# Altium PCB PATHOS_ControllerBoardExp.PcbDoc (part 2 of 4)
Units mm, origin at the board's own origin, x right, y up, seen from the top; angles counter-clockwise.
Board outline 165 x 96 mm, 4 copper layers (Top Layer, Mid-Layer 1, Mid-Layer 2, Bottom Layer), stack 1.642 mm thick; 300 components, 336 nets, 1573 pads, 768 vias.
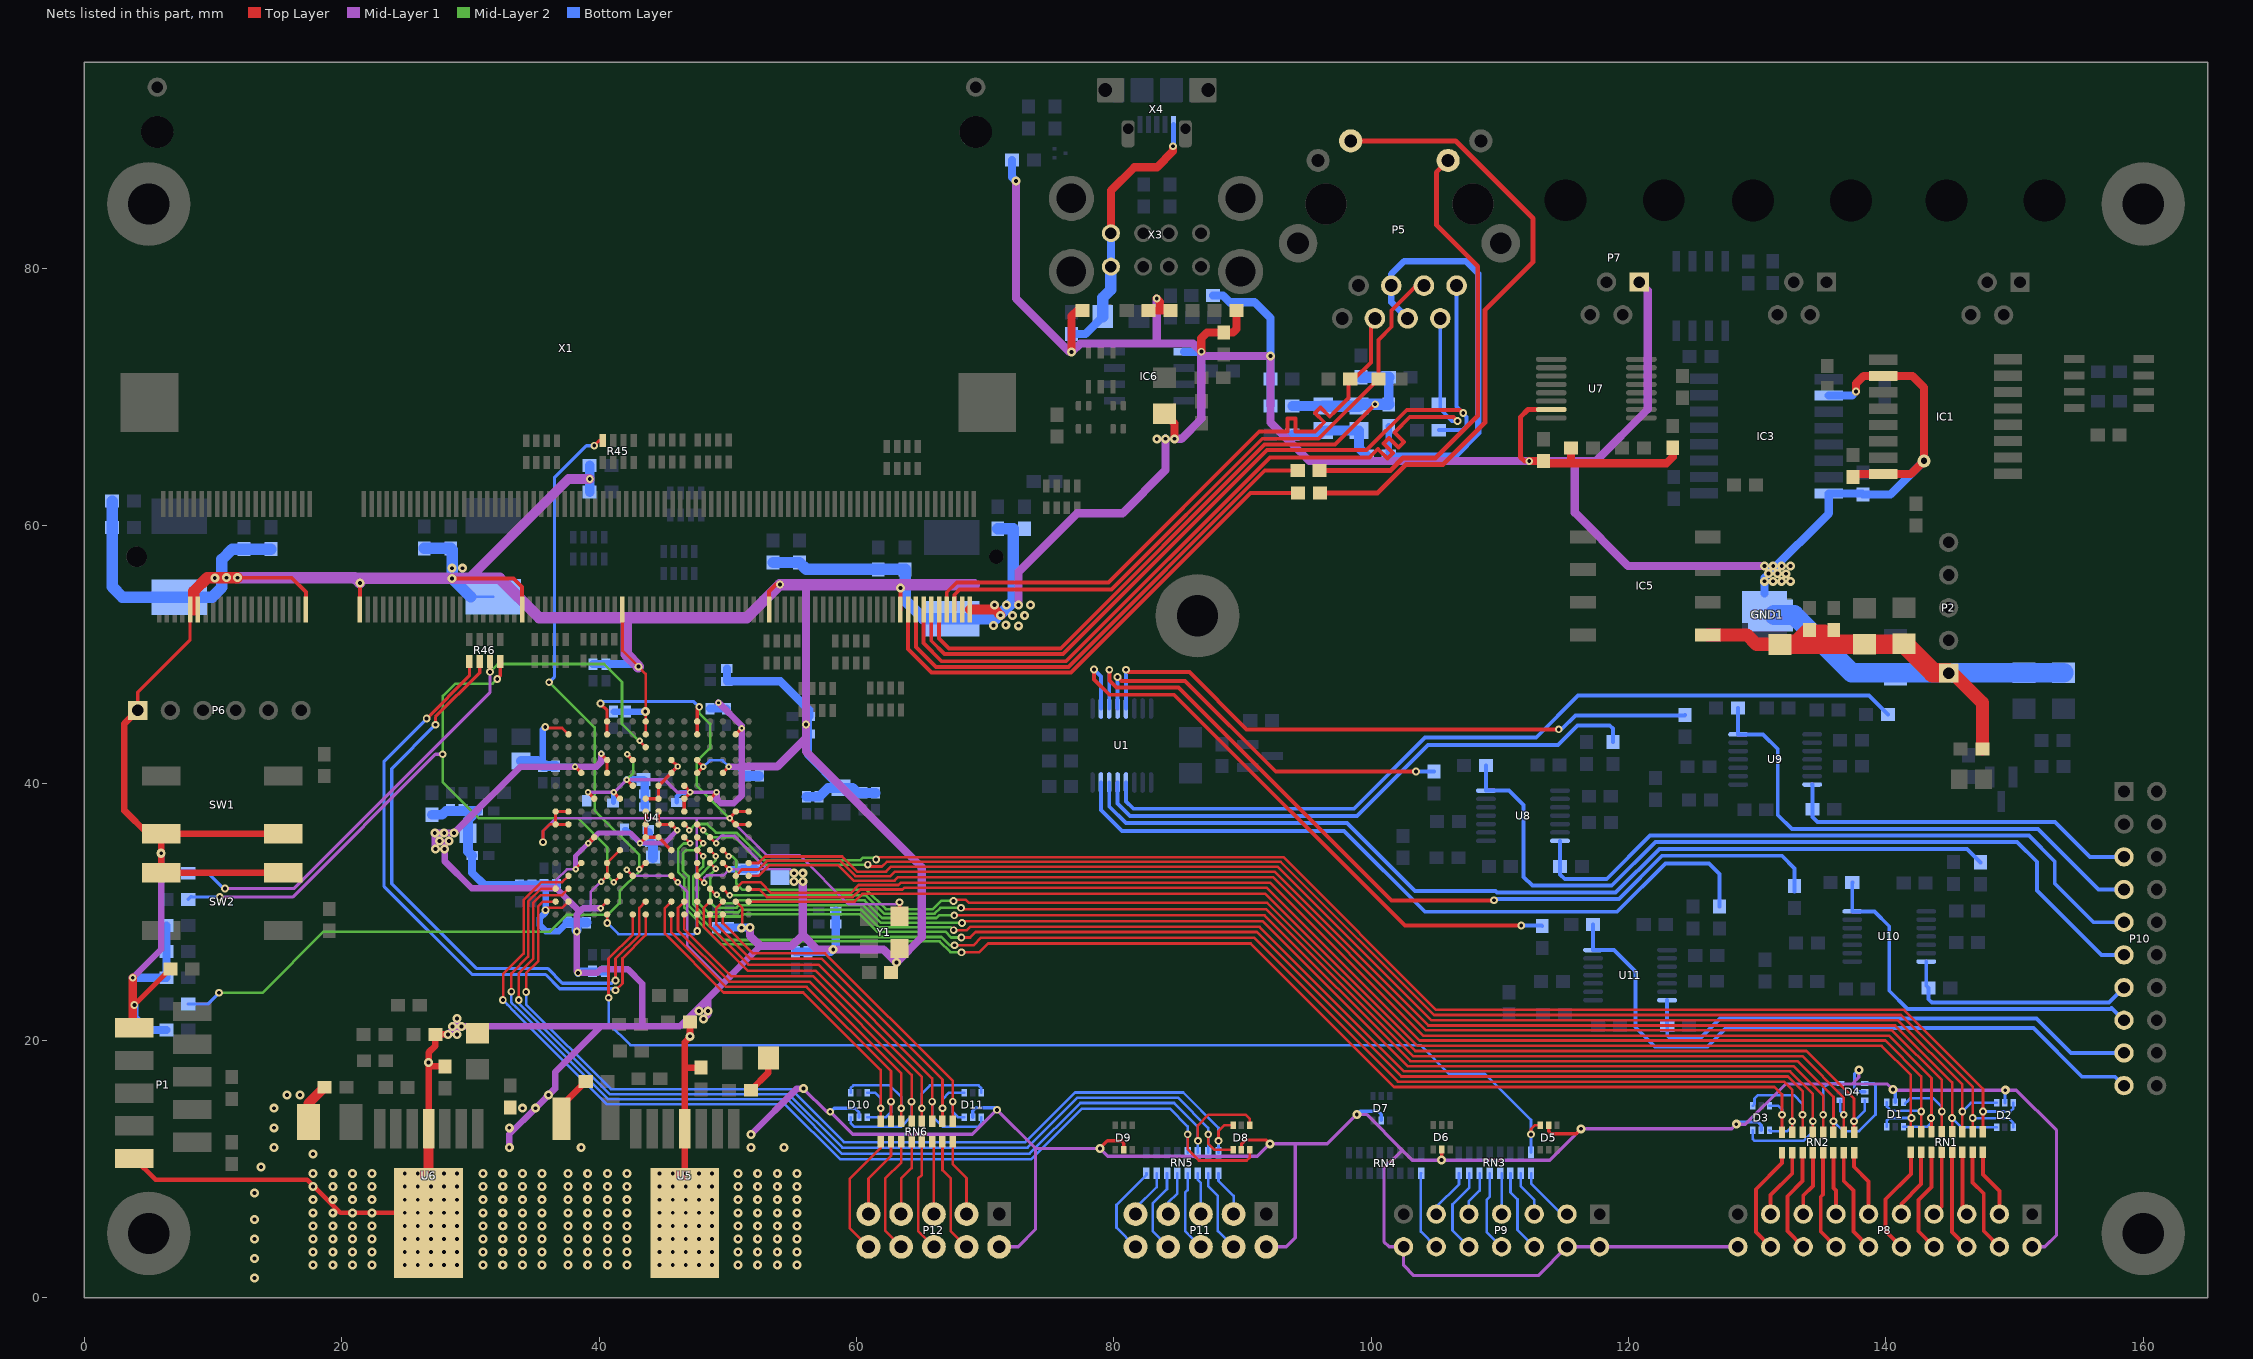
[diagram p4: the nets of this part, all layers, seen from the top]

## Via types
v1: diameter 0.7, hole 0.3, Top Layer to Bottom Layer, 397 vias
v2: diameter 0.6, hole 0.3, Top Layer to Bottom Layer, 248 vias
v3: diameter 0.5, hole 0.2, Top Layer to Bottom Layer, 95 vias
v4: diameter 1, hole 0.5, Top Layer to Bottom Layer, 28 vias

## Nets (pads, with @x,y where several pads share a name; then routed paths per layer and width w, separated by ;. In a path a pad name is that pad's centre, name@x,y a point inside that pad or via, vN(x,y) a via of type N, cw(c..) or ccw(c..) an arc to the next point about the centre after c; other vN are vias at no path point) (continued)
CAN_GND: C64.2 C65.1 C66.1 C67.1 C68.2 C69.1 C70.1 C89.1 GND1.1 IC5.1 P2.1 R12.1 | length 55.5
  Top Layer w0.889: C89.1@131.609,50.602 C89.1@131.776,50.602 ; C89.1@132.664,50.786 133.77,51.892 C66.1@134.059,51.892 135.234,51.892 135.549,51.577 C67.1@135.951,51.577
  Top Layer w1.016: IC5.1@126.16,51.511 129.208,51.511 129.933,50.786 C89.1@132.664,50.786 ; P2.1@144.873,48.545 145.199,48.545 147.5,46.244 R12.1@147.5,42.648
  Top Layer w1.524: C89.1@132.664,50.786 C65.1@138.325,50.786 ; C65.1@138.325,50.796 141.404,50.796 141.444,50.796 143.66,48.58 P2.1@144.873,48.58
  Bottom Layer w1.524: GND1.1@131.318,53.061 132.867,53.061 137.359,48.569 C70.1@153.8,48.569
CLK_50MHZ: U4.A8 U4.A9 U4.B8 U4.B9 U4.E1 U4.E15 U4.E16 U4.M1 U4.M2 U4.M15 U4.M16 U4.R8 U4.R9 U4.T8 U4.T9 Y1.3 | length 83.9
  Top Layer w0.203: v2(35.636,35.408) 35.636,36.271 36.152,36.787 U4.A8@36.62,36.787 ; U4.E1@40.62,29.787 40.62,29.144 v2(40.634,29.13) ; U4.M2@47.62,30.787 47.625,30.782 v2(47.625,28.499)
  Top Layer w0.254: U4.B8@37.62,36.787 U4.A8@36.62,36.787 U4.A9@36.62,37.787 U4.B9@37.62,37.787 ; v2@40.183,46.279 40.183,46.101 40.62,45.664 U4.E16@40.62,44.787 U4.E15@40.62,43.787 ; U4.M15@47.62,43.787 U4.M16@47.62,44.787 47.62,45.766 v2(47.777,45.923) ; v3(50.14,37.262) 50.145,37.262 U4.R8@50.62,36.787 U4.T8@51.62,36.787 ; v3@50.145,37.313 U4.R9@50.62,37.787 U4.T9@51.62,37.787 ; v2(63.343,30.737) 63.343,30.857 63.36,30.874 Y1.3@63.36,29.983
  Mid-Layer 1 w0.203: v2(35.636,35.408) 35.636,36.271 36.627,37.262 v3(50.14,37.262) 53.035,34.366 55.601,34.366 59.399,30.568 63.021,30.568 63.343,30.891 v2(63.343,30.737) ; 47.591,37.254 47.591,28.533 v2(47.625,28.499)
  Mid-Layer 2 w0.203: v2(47.777,45.923) 47.777,45.441 48.632,44.586 48.632,42.714 47.574,41.656 47.574,39.827 v3(50.14,37.262)
  Bottom Layer w0.203: v2(40.634,29.13) 41.507,28.258 47.384,28.258 v2(47.625,28.499)
  Bottom Layer w0.254: v2@40.107,46.203 40.234,46.33 47.371,46.33 v2(47.777,45.923)
  other v2: 40.107,46.177
DGND: C10.1 C11.1 C12.1 C13.1 C14.1 C15.1 C16.1 C17.1 C18.1 C19.1 C20.1 C21.1 C22.1 C23.1 C24.1 C25.1 C26.1 C27.1 C28.1 C29.1 C30.1 C31.1 C32.1 C33.1 C34.1 C35.1 C36.1 C37.1 C38.1 C39.1 C40.1 C41.1 C42.1 C43.1 C44.1 C45.1 C46.1 C47.1 C48.1 C49.1 C50.1 C51.1 C52.1 C53.1 C54.1 C55.1 C56.1 C57.1 C58.1 C59.1 C60.1 C61.1 C62.1 C63.1 C72.1 C73.1 C74.1 C75.2 C76.1 C78.1 C79.1 C80.1 C81.2 C82.1 C85.1 C88.1 C96.2 C97.2 C98.2 C99.1 C100.1 C101.1 C102.1 C103.1 C104.1 C105.1 C106.1 C107.1 C108.1 C109.1 C110.1 C111.1 C112.1 C114.1 C115.1 C117.1 C126.1 C127.2 C128.1 C129.2 D1.2 D2.2 D3.2 D4.2 D5.2 D6.2 D7.2 D8.2 D9.2 D10.2 D11.2 GND1.2 IC1.2 IC1.8 IC3.2 IC3.8 IC6.1 L2.1 L4.1 L9.1 P1.2 P1.10 P6.1 P7.1 P8.2 P8.20 P9.2 P9.4 P9.14 P11.2 P12.2 R5.1 R6.1 R7.1 R8.2 R11.1 R16.2 R20.2 R98.1 R100.1 R101.1 R102.1 R103.1 SW1.3 SW1.4 SW2.1 SW2.2 U4.B2 U4.B15 U4.C5 U4.C12 U4.D7 U4.D10 U4.E2 U4.E4 U4.E5 U4.E12 U4.E13 U4.F6 U4.F10 U4.G4 U4.G11 U4.G13 U4.H7 U4.H8 U4.H9 U4.H10 U4.H15 U4.H16 U4.J7 U4.J8 U4.J9 U4.J10 U4.J11 U4.K4 U4.K6 U4.K8 U4.K12 U4.K13 U4.L9 U4.L10 U4.L11 U4.M4 U4.M5 U4.M12 U4.M13 U4.N7 U4.N10 U4.P5 U4.P12 U4.R2 U4.R15 U5.4 U5.EP U6.4 U6.EP U7.15 X1.9 X1.11 X1.39 X1.41 X1.83 X1.109 X1.147 X1.181 X1.197 X1.199 X3.L4 X3.U4 X4.5 Y1.2 | length 1111.3
  Top Layer w0.203: v2(35.814,44.348) 35.884,44.279 37.129,44.279 U4.B15@37.62,43.787 ; v2@35.96,30.296 37.129,30.296 U4.B2@37.62,30.787 ; v3(38.176,33.299) 38.176,33.344 U4.C5@38.62,33.787 ; v3(40.111,30.278) U4.E2@40.62,30.787 ; v3(40.157,32.334) 40.167,32.334 U4.E4@40.62,32.787 U4.E5@40.62,33.787 U4.F6@41.62,34.787 ; X1.109@41.814,53.482 41.814,50.286 v2(43.053,49.047) 43.62,48.481 U4.H16@43.62,44.787 U4.H15@43.62,43.787 ; v3(42.139,33.274) 42.139,33.268 U4.G4@42.62,32.787 ; U4.K4@45.62,32.787 46.101,32.306 v3(46.101,32.283) ; U4.M5@47.62,33.787 U4.M4@47.62,32.787 48.149,32.258 v3(48.158,32.258) ; U4.N7@48.62,35.787 49.098,35.309 v3(49.098,35.306) ; U4.R2@50.62,30.787 51.13,30.277 51.128,30.275 v1@51.128,28.827
  Top Layer w0.254: P6.1@4.14,45.644 4.14,47.066 8.214,51.14 X1.9@8.214,53.482 8.509,53.482 ; v3(38.125,41.275) 38.132,41.275 U4.C12@38.62,40.787 ; v3(39.139,39.268) U4.D10@39.62,38.787 ; v3(40.157,42.266) 40.141,42.266 U4.E13@40.62,41.787 U4.E12@40.62,40.787 ; v3(41.123,39.294) 41.123,39.284 U4.F10@41.62,38.787 ; v3@42.116,42.291 U4.G13@42.62,41.787 ; v3(42.139,40.259) 42.148,40.259 U4.G11@42.62,39.787 ; v3(43.18,35.331) 43.18,35.347 U4.H7@43.62,35.787 ; U4.H9@43.62,37.787 U4.H8@43.62,36.787 U4.H7@43.62,35.787 ; U4.H10@43.62,38.787 U4.J10@44.62,38.787 U4.J11@44.62,39.787 U4.K12@45.62,40.787 v3(46.12,41.287) U4.K13@45.62,41.787 ; U4.J9@44.62,37.787 U4.J8@44.62,36.787 U4.K8@45.62,36.787 46.076,36.331 v3(46.076,36.322) ; U4.K6@45.62,34.787 U4.J7@44.62,35.787 U4.H7@43.62,35.787 ; U4.L9@46.62,37.787 U4.L10@46.62,38.787 v3@47.092,39.259 ; U4.L11@46.62,39.787 v3@47.102,39.305 ; U4.M12@47.62,40.787 v3(48.082,41.25) 47.62,41.712 U4.M13@47.62,41.787 ; U4.N10@48.62,38.787 49.124,39.291 v3(49.124,39.294) ; U4.P5@49.62,33.787 v3@50.111,33.296 ; U4.P12@49.62,40.787 50.089,41.256 v3(50.089,41.275) ; U4.R15@50.62,43.787 v3(51.079,44.247) ; v1(78.918,11.608) 79.502,12.192 80.569,12.192 80.772,11.989 D9.2@80.772,11.496 ; D8.2@89.916,11.496 89.916,11.938 90.246,12.268 91.821,12.268 v1(92.126,11.963) ; v1(105.461,10.693) 105.486,10.719 D6.2@105.486,11.521 ; D5.2@113.792,13.396 113.792,12.929 113.97,12.751 115.926,12.751 v1(116.307,13.132)
  Top Layer w0.305: v1(11.887,55.956) 16.104,55.956 17.214,54.846 X1.39@17.214,53.482 ; X1.41@21.414,53.482 v1@21.414,55.548 ; v1(28.575,55.905) 33.35,55.905 34.014,55.241 X1.83@34.014,53.482 ; X1.147@53.214,53.482 53.214,54.891 53.746,55.423 v2(54.051,55.423) ; X1.181@63.414,53.482 v1(63.414,55.159)
  Top Layer w0.381: P1.10@3.882,10.82 5.533,9.169 17.323,9.169 19.888,6.604 U6.EP@26.746,6.604 ; P1.2@3.882,20.98 v2(3.882,22.754) R11.1@6.68,25.552 ; v3@39.141,35.309 U4.D7@39.62,35.787 ; v2(112.282,65.014) 111.92,65.014 111.594,65.34 111.594,68.435 112.187,69.028 U7.15@113.994,69.028 ; C85.1@137.456,63.796 C85.1@137.674,64.014
  Top Layer w0.508: P6.1@4.14,45.644 3.114,44.617 3.114,37.857 4.917,36.053 SW1.4@5.969,36.053 ; SW2.1@15.469,33.036 SW2.2@5.969,33.036 v1(5.969,34.544) SW1.4@5.969,36.053 ; SW1.3@15.469,36.053 SW1.4@5.969,36.053 ; U6.4@26.746,13.122 26.746,19.054 27.278,19.585 R20.2@27.278,20.472 v1(28.245,20.472) ; v1@26.772,17.983 C80.1@28.016,17.983 ; C75.2@37.089,13.894 37.089,14.94 C76.1@38.964,16.815 ; U5.EP@46.66,5.817 U5.4@46.66,13.122 46.66,17.882 C74.1@47.93,17.882 ; 46.66,17.907 46.66,19.863 47.064,20.267 R16.2@47.064,21.438 ; C73.1@51.791,16.129 53.162,17.501 C72.1@53.162,18.644
  Top Layer w0.635: P1.2@3.759,21.103 v2(3.759,24.867) ; v1(76.715,73.489) 76.715,76.283 77.165,76.733 R102.1@77.572,76.733 ; X3.L4@79.776,82.73 79.776,86.042 81.585,87.851 83.352,87.851 84.605,89.104 v2@84.605,89.416 ; R103.1@82.702,76.733 83.591,76.733 ; v2(83.337,77.648) 83.591,77.394 83.591,76.733 ; C127.2@83.947,68.692 84.709,67.93 v1(84.709,66.751) ; R100.1@84.404,76.733 83.591,76.733 ; v2(86.799,73.523) 86.799,74.572 87.238,75.011 C126.1@88.545,75.011 89.27,75.011 89.535,75.275 R101.1@89.535,76.733 ; v2(112.282,65.014) C114.1@113.404,65.014 113.568,64.85 122.96,64.85 123.437,65.327 C115.1@123.437,66.055 ; 115.538,64.86 C117.1@115.538,66.03 ; C85.1@137.674,64.014 IC1.8@139.785,64.014 141.936,64.014 v4(142.961,65.039) 142.961,70.75 142.077,71.634 IC1.2@139.785,71.634 138.272,71.634 137.68,71.042 v2(137.68,70.422)
  Top Layer w0.762: C81.2@17.425,13.665 17.425,15.114 C82.1@18.669,16.358 ; U6.EP@26.746,6.604 U6.4@26.746,13.122 ; X1.199@68.814,53.482 70.739,53.482 ; 70.75,53.482 v1(71.196,53.035)
  Top Layer w0.889: 8.509,53.482 8.509,54.915 9.55,55.956 v1(11.049,55.956) v1(11.887,55.956)
  Mid-Layer 1 w0.203: 36.678,31.826 36.678,32.487 37.49,33.299 v3(38.176,33.299) ; 39.345,30.278 39.345,31.521 v3(40.157,32.334) ; v3(42.139,33.274) 42.613,32.8 45.584,32.8 v3(46.101,32.283) 46.863,31.521 46.863,27.356 49.682,24.536 ; v3(48.158,32.258) 48.158,32.614 48.378,32.834 49.649,32.834 v3(50.109,33.293) 53.093,33.293 ; v3(49.098,35.306) 49.098,35.509 49.505,35.916 50.47,35.916 53.093,33.293 ; v1(55.143,32.995) 54.845,33.293 53.093,33.293
  Mid-Layer 1 w0.254: v3@39.164,39.294 v3(41.123,39.294) 41.173,39.294 v3(42.139,40.259) 45.092,40.259 ; v3(46.12,41.287) 45.092,40.259 ; v3(49.124,39.294) 46.057,39.294 45.092,40.259 ; v1(55.88,16.256) 57.683,14.453 v2(57.963,14.453) 59.715,12.7 69.012,12.7 v2(70.917,14.605) 73.914,11.608 ; P12.2@71.095,3.96 72.565,3.96 73.914,5.309 73.914,11.608 ; P11.2@91.846,3.96 93.393,3.96 94.107,4.674 94.107,11.963 ; P8.20@128.499,3.96 P9.2@117.754,3.96 P9.4@115.214,3.96 112.982,1.727 103.302,1.727 102.514,2.515 P9.14@102.514,3.96 101.399,3.96 100.99,4.369 100.99,10.058 102.413,11.481 ; v1(137.897,17.704) 137.897,17.145 137.363,16.612 ; P8.2@151.359,3.96 152.347,3.96 153.264,4.877 153.264,13.005 150.139,16.129 v1(149.276,16.129) 140.589,16.129 v1(140.538,16.18) 140.106,16.612 137.363,16.612 ; 73.914,11.608 v1(78.918,11.608) 79.527,10.998 91.161,10.998 v1(92.126,11.963) 94.107,11.963 ; 94.107,11.963 96.596,11.963 v1(98.882,14.249) 99.644,14.249 102.413,11.481 ; 102.413,11.481 103.2,10.693 v1(105.461,10.693) 113.868,10.693 v1(116.307,13.132) 128.016,13.132 v1(128.372,13.487) 129.083,13.487 132.207,16.612 137.363,16.612
  Mid-Layer 1 w0.381: v3(38.176,33.299) 38.176,34.341 v3(39.167,35.331) 39.954,36.119 42.443,36.119 43.18,35.382 v3(43.18,35.331) 45.085,35.331 v3(46.076,36.322)
  Mid-Layer 1 w0.508: v2(3.759,24.867) 5.969,27.076 v1(5.969,34.544) ; v1@27.229,34.925 v1(27.229,36.119) v1(27.965,36.119) v1(28.727,36.119) 33.884,41.275 v3(38.125,41.275) 39.802,41.275 40.157,41.631 v3(40.157,42.266) ; 27.991,35.382 v1(27.991,34.874) 27.991,33.934 30.099,31.826 36.678,31.826 38.491,30.013 ; v1(28.245,20.472) v1@28.6,20.828 ; v1(28.956,20.472) v1(28.956,21.692) ; v1(29.312,21.082) 40.132,21.082 ; v1(33.02,11.684) 33.02,12.7 v1(35.052,14.732) 36.576,16.256 36.576,17.526 40.132,21.082 ; v3@40.034,30.278 39.345,30.278 38.757,30.278 38.491,30.013 ; v1(48.108,21.666) v1@48.463,22.022 ; v1(48.463,22.276) 48.463,23.266 ; v3(49.124,39.294) 49.124,38.76 49.454,38.43 50.47,38.43 51.079,39.04 51.079,41.275 ; v3(49.276,46.253) 51.079,44.45 v3(51.079,44.247) 51.079,41.275 ; v3(50.089,41.275) 51.079,41.275 ; v1(51.816,12.7) 55.372,16.256 v1(55.88,16.256) ; 52.527,27.33 48.463,23.266 ; 38.491,30.013 38.26,29.782 v2(38.26,28.462) 38.26,25.362 v2(38.371,25.251) 39.856,25.251 40.132,25.527 42.24,25.527 43.358,24.409 43.358,21.082 ; 40.132,21.082 43.358,21.082 ; 43.358,21.082 46.279,21.082 48.463,23.266
  Mid-Layer 1 w0.635: 51.079,41.275 53.848,41.275 56.083,43.51 ; v1(51.729,28.763) 51.729,28.128 52.527,27.33 54.966,27.33 55.829,28.194 ; v1(55.829,32.36) 55.829,28.194 ; 56.083,55.397 v2(56.083,44.552) 56.083,43.51 ; v1(72.39,86.792) 72.39,77.648 v1@76.548,73.489 ; v1(72.593,53.848) 72.593,56.413 77.14,60.96 80.67,60.96 84.023,64.313 v1(84.023,66.751) ; v1(76.715,73.489) 77.394,74.168 86.155,74.168 v2(86.799,73.523) 86.799,68.308 85.242,66.751 v1(84.709,66.751) ; 83.337,74.295 v2(83.337,77.648) ; 86.996,73.197 v1(92.17,73.197) 92.17,68.027 95.184,65.014 v2(112.282,65.014) 115.824,65.014 ; P7.1@120.826,78.934 121.494,78.266 121.494,69.046 117.462,65.014 115.824,65.014 ; v1(130.556,56.871) 119.964,56.871 115.824,61.011 115.824,65.014 ; 55.829,28.194 56.947,27.076 v1(58.191,27.076) 62.103,27.076 v1(63.119,26.06) 65.075,28.016 65.075,33.452 56.083,42.443 56.083,43.51
  Mid-Layer 1 w0.762: 29.896,55.905 37.617,63.627 v2(39.268,63.627)
  Mid-Layer 1 w0.889: v1(11.887,55.956) 21.006,55.956 v1(21.412,55.55) ; 21.031,55.905 v1(28.575,55.905) 29.896,55.905 32.283,55.905 35.331,52.857 39.243,52.857 ; v2(43.053,49.047) 42.1,50 42.1,52.857 39.243,52.857 ; 69.164,55.423 v2(54.051,55.423) 51.486,52.857 39.243,52.857
  Mid-Layer 2 w0.203: v3(42.139,40.259) 42.655,40.776 42.655,41.774 v3(42.189,42.24)
  Bottom Layer w0.203: C97.2@30.009,54.471 C97.2@31.773,54.471 ; C38.1@35.712,32.091 C38.1@35.839,31.964 ; v3(48.082,41.25) 48.599,41.766 49.598,41.766 v3(50.089,41.275)
  Bottom Layer w0.254: C26.1@41.082,38.456 C26.1@41.123,38.496 ; C19.1@43.459,40.284 C19.1@43.546,40.198 ; C22.1@44.029,35.306 C22.1@44.196,35.139 ; v2(57.963,14.453) 57.988,14.453 58.268,14.732 59.893,14.732 60.198,14.427 D10.2@60.198,14.036 ; D11.2@69.037,14.036 69.037,14.529 69.266,14.757 70.764,14.757 v2(70.917,14.605) ; v1(98.882,14.249) 99.136,14.503 100.533,14.503 100.787,14.249 D7.2@100.787,13.782 ; v1(128.372,13.487) 128.549,13.665 130.048,13.665 130.302,13.411 D3.2@130.302,13.02 ; v1(137.897,17.704) 137.554,17.361 137.554,16.345 137.897,16.002 D4.2@138.364,16.002 ; v1(140.538,16.18) 140.716,16.002 D1.2@140.716,15.199 ; D2.2@149.25,15.149 149.25,16.104 v1(149.276,16.129)
  Bottom Layer w0.381: R6.1@6.375,24.867 R6.1@6.377,24.868 ; C26.1@41.123,38.496 v3(41.123,39.294) ; C21.1@41.986,36.388 42.124,36.388 v3(43.18,35.331) 43.205,35.306 C22.1@44.029,35.306 ; C27.1@46.035,38.506 46.035,38.949 46.355,39.268 v3(47.066,39.268) ; v3(50.089,41.275) 50.74,41.275 C42.1@51.461,40.553 ; v2@84.637,89.523 X4.5@84.637,91.178 ; C88.1@138.154,62.5 C88.1@138.229,62.425
  Bottom Layer w0.508: C39.1@35.621,41.315 35.621,44.155 v2(35.814,44.348) ; C38.1@35.839,31.964 v2(35.839,30.124) 35.839,29.948 35.395,29.504 35.395,28.967 35.871,28.491 36.85,28.491 C37.1@37.526,29.167 ; C31.1@36.61,41.315 36.651,41.275 v3(38.125,41.275) ; C40.1@41.123,45.557 C32.1@42.113,45.557 v1(43.586,45.557) ; v3@42.139,40.284 C19.1@43.459,40.284 ; v3(49.276,46.253) 49.276,46.014 49.251,45.989 49.428,45.811 ; v3(50.109,33.293) 50.126,33.31 C35.1@51.156,33.31
  Bottom Layer w0.635: v2(3.759,24.867) R6.1@6.375,24.867 ; v2(3.882,22.754) 3.882,21.772 4.851,20.803 R5.1@6.375,20.803 ; R6.1@6.377,24.868 R8.2@6.377,28.931 ; C13.1@30.135,34.366 30.135,33.03 31.095,32.07 C53.1@33.807,32.07 33.828,32.091 C38.1@35.712,32.091 C46.1@36.703,32.091 ; v2(38.371,25.251) 38.48,25.36 C47.1@39.497,25.36 C60.1@40.512,25.36 ; C61.1@39.523,49.24 C48.1@40.538,49.24 42.86,49.24 v2(43.053,49.047) ; C15.1@43.546,38.151 C28.1@43.546,39.141 C19.1@43.546,40.198 ; C41.1@48.616,45.786 49.403,45.786 ; C36.1@49.124,28.763 C44.1@50.113,28.763 v1(51.729,28.763) ; 49.428,45.811 49.403,45.786 ; C33.1@49.886,45.786 49.403,45.786 ; C49.1@49.926,48.894 C62.1@49.926,47.904 54.09,47.904 56.327,45.667 C58.1@56.327,45.187 ; C35.1@51.156,33.31 C43.1@52.145,33.31 ; C50.1@55.27,26.888 C63.1@56.236,26.888 58.003,26.888 v1(58.191,27.076) 58.384,27.269 C59.1@58.384,29.058 C55.1@58.384,30.073 ; C58.1@56.225,45.187 56.225,42.2 C12.1@58.801,39.624 ; R98.1@72.098,88.419 72.098,87.084 v1(72.39,86.792) ; v1(76.715,73.489) L9.1@76.715,74.892 77.801,74.892 C129.2@79.154,76.245 ; X3.U4@79.776,80.13 X3.L4@79.776,82.73 ; IC6.1@85.452,73.522 v2(86.799,73.523) ; C128.1@87.718,77.877 88.493,77.877 89.002,77.368 90.932,77.368 92.17,76.13 v1(92.17,73.197) L2.1@92.17,71.408 L4.1@92.17,69.3 ; GND1.2@130.556,54.717 v1@130.556,55.956 ; v1(130.886,56.286) 135.563,60.963 IC3.8@135.563,62.5 C88.1@138.154,62.5 ; IC3.2@135.563,70.12 137.377,70.12 ; C88.1@138.229,62.425 140.347,62.425 v4(142.961,65.039)
  Bottom Layer w0.762: C51.1@27,37.541 27.813,37.541 28.092,37.821 C24.1@30.516,37.821 29.82,37.124 C11.1@29.82,36.093 29.82,34.681 C13.1@30.135,34.366 ; C30.1@33.934,41.707 35.229,41.707 C39.1@35.621,41.315 C31.1@36.61,41.315 ; C37.1@37.526,29.17 38.231,29.17 ; v2@38.231,28.566 38.231,29.17 ; C45.1@39.034,29.17 38.231,29.17 ; C102.1@39.266,62.626 C109.1@39.266,64.683 ; C17.1@43.825,36.144 43.825,35.509 C22.1@44.029,35.306 ; C20.1@44.196,34.163 C20.1@44.196,34.239 C22.1@44.196,35.139 ; C42.1@51.461,40.553 C34.1@52.451,40.553 ; C18.1@56.109,38.928 C16.1@57.099,38.928 57.795,39.624 C12.1@58.801,39.624 59.715,39.624 60.107,39.233 C14.1@60.503,39.233 C23.1@61.493,39.233
  Bottom Layer w0.889: C99.1@2.157,61.914 C106.1@2.157,59.857 2.157,55.247 2.958,54.446 C96.2@7.364,54.446 9.92,54.446 10.691,55.217 10.691,55.931 ; 10.691,55.956 10.691,57.376 11.495,58.181 C107.1@14.5,58.181 ; C101.1@26.414,58.231 C108.1@28.47,58.231 28.575,58.127 v1(28.575,55.905) C97.2@30.009,54.471 ; C110.1@53.515,57.139 C103.1@55.573,57.139 56.106,56.606 C104.1@61.693,56.606 C111.1@63.777,56.606 63.777,54.206 65.203,52.78 C98.2@67.412,52.78 70.84,52.78 ; C105.1@70.979,59.767 72.187,59.767 72.187,54.127 v1@71.145,53.086 ; C129.2@79.154,76.245 79.154,77.727 79.776,78.349 X3.U4@79.776,80.13
  other v1: 13.208,1.524 17.78,2.54 19.304,2.54 20.828,2.54 22.352,2.54 24.892,2.54 25.908,2.54 26.924,2.54 27.94,2.54 28.956,2.54 30.988,2.54 32.512,2.54 34.036,2.54 35.56,2.54 37.592,2.54 39.116,2.54 40.64,2.54 42.164,2.54 44.704,2.54 45.72,2.54 46.736,2.54 47.752,2.54 48.768,2.54 50.8,2.54 52.324,2.54 53.848,2.54 55.372,2.54 13.208,3.048 17.78,3.556 19.304,3.556 20.828,3.556 22.352,3.556 24.892,3.556 25.908,3.556 26.924,3.556 27.94,3.556 28.956,3.556 30.988,3.556 32.512,3.556 34.036,3.556 35.56,3.556 37.592,3.556 39.116,3.556 40.64,3.556 42.164,3.556 44.704,3.556 45.72,3.556 46.736,3.556 47.752,3.556 48.768,3.556 50.8,3.556 52.324,3.556 53.848,3.556 55.372,3.556 13.208,4.572 17.78,4.572 19.304,4.572 20.828,4.572 22.352,4.572 24.892,4.572 25.908,4.572 26.924,4.572 27.94,4.572 28.956,4.572 30.988,4.572 32.512,4.572 34.036,4.572 35.56,4.572 37.592,4.572 39.116,4.572 40.64,4.572 42.164,4.572 44.704,4.572 45.72,4.572 46.736,4.572 47.752,4.572 48.768,4.572 50.8,4.572 52.324,4.572 53.848,4.572 55.372,4.572 17.78,5.588 19.304,5.588 20.828,5.588 22.352,5.588 24.892,5.588 25.908,5.588 26.924,5.588 27.94,5.588 28.956,5.588 30.988,5.588 32.512,5.588 34.036,5.588 35.56,5.588 37.592,5.588 39.116,5.588 40.64,5.588 42.164,5.588 44.704,5.588 45.72,5.588 46.736,5.588 47.752,5.588 48.768,5.588 50.8,5.588 52.324,5.588 53.848,5.588 55.372,5.588 13.208,6.096 17.78,6.604 19.304,6.604 20.828,6.604 22.352,6.604 24.892,6.604 25.908,6.604 26.924,6.604 27.94,6.604 28.956,6.604 30.988,6.604 32.512,6.604 34.036,6.604 35.56,6.604 37.592,6.604 39.116,6.604 40.64,6.604 42.164,6.604 44.704,6.604 45.72,6.604 46.736,6.604 47.752,6.604 48.768,6.604 50.8,6.604 52.324,6.604 53.848,6.604 55.372,6.604 17.78,7.62 19.304,7.62 20.828,7.62 22.352,7.62 24.892,7.62 25.908,7.62 26.924,7.62 27.94,7.62 28.956,7.62 30.988,7.62 32.512,7.62 34.036,7.62 35.56,7.62 37.592,7.62 39.116,7.62 40.64,7.62 42.164,7.62 44.704,7.62 45.72,7.62 46.736,7.62 47.752,7.62 48.768,7.62 50.8,7.62 52.324,7.62 53.848,7.62 55.372,7.62 13.208,8.128 17.78,8.636 19.304,8.636 20.828,8.636 22.352,8.636 24.892,8.636 25.908,8.636 26.924,8.636 27.94,8.636 28.956,8.636 30.988,8.636 32.512,8.636 34.036,8.636 35.56,8.636 37.592,8.636 39.116,8.636 40.64,8.636 42.164,8.636 44.704,8.636 45.72,8.636 46.736,8.636 47.752,8.636 48.768,8.636 50.8,8.636 52.324,8.636 53.848,8.636 55.372,8.636 17.78,9.652 19.304,9.652 20.828,9.652 22.352,9.652 24.892,9.652 25.908,9.652 26.924,9.652 27.94,9.652 28.956,9.652 30.988,9.652 32.512,9.652 34.036,9.652 35.56,9.652 37.592,9.652 39.116,9.652 40.64,9.652 42.164,9.652 44.704,9.652 45.72,9.652 46.736,9.652 47.752,9.652 48.768,9.652 50.8,9.652 52.324,9.652 53.848,9.652 55.372,9.652 13.716,10.16 17.78,11.176 14.732,11.684 38.608,11.684 51.816,11.684 54.356,11.684 14.732,13.208 33.02,13.208 14.732,14.732 34.036,14.732 15.748,15.748 16.764,15.748 36.068,15.748 26.746,18.288 47.064,20.32 28.6,21.082 47.752,22.276 51.054,28.753 55.143,32.36 55.829,32.995 27.28,34.874 27.61,35.509 28.346,35.509 72.593,52.222 70.637,52.248 71.603,52.273 72.136,53.01 73.076,53.01 70.739,53.848 71.653,53.848 73.533,53.848 130.556,55.677 131.216,55.677 131.902,55.677 132.588,55.677 10.135,55.931 132.232,56.261 131.572,56.286 28.575,56.693 29.388,56.693 131.242,56.871 131.902,56.871 132.588,56.871 83.337,66.726
  other v2: 84.604,89.49
DRV_AOUT.A1: R57.1 U1.4 | length 65.2
  Bottom Layer w0.305: U1.4@80.943,40.044 80.943,38.575 81.513,38.005 98.66,38.005 104.191,43.536 112.827,43.536 116.078,46.787 138.684,46.787 R57.1@140.157,45.314
DRV_AOUT.A2: R67.1 U1.13 | length 48.8
  Top Layer w0.305: v2(80.943,48.802) 81.129,48.616 85.877,48.616 90.322,44.171 v2(114.579,44.171)